# Altium PCB GSM-LCD-ATmega32.PcbDoc
Units mm, origin at the board's own origin, x right, y up, seen from the top; angles counter-clockwise.
Board outline 196.85 x 120.65 mm, 2 copper layers (Top Layer, Bottom Layer); 75 components, 70 nets, 275 pads, 22 vias.
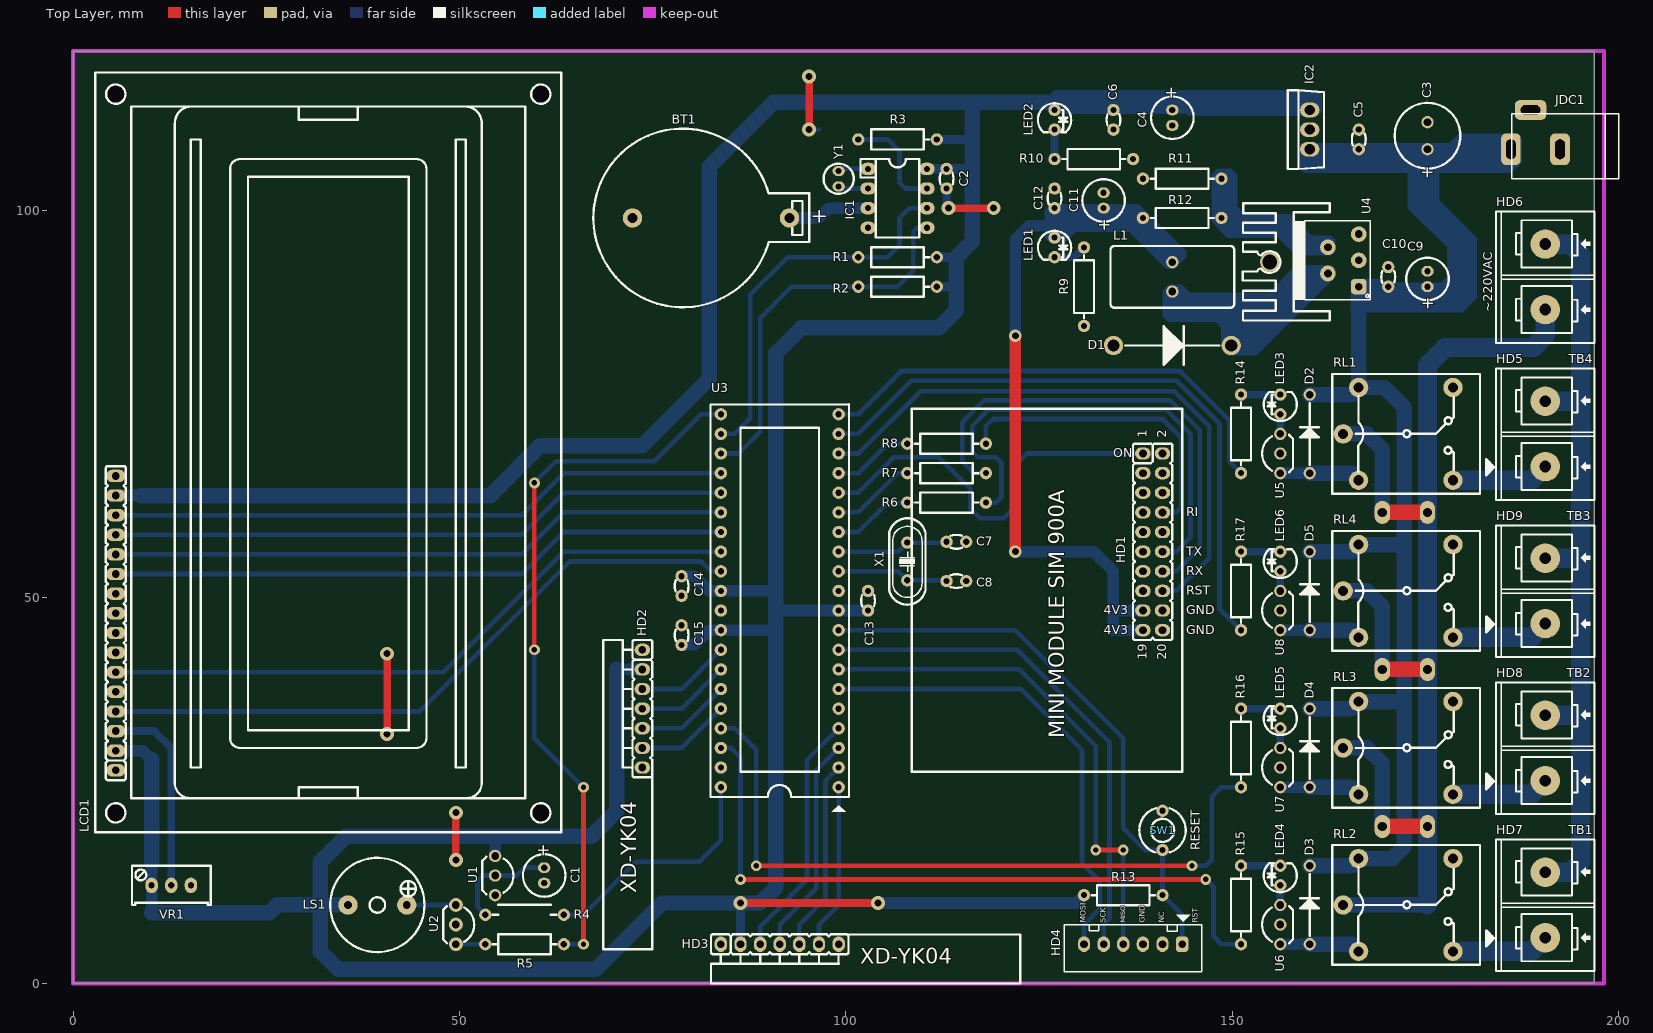
[diagram p0: Top Layer view]
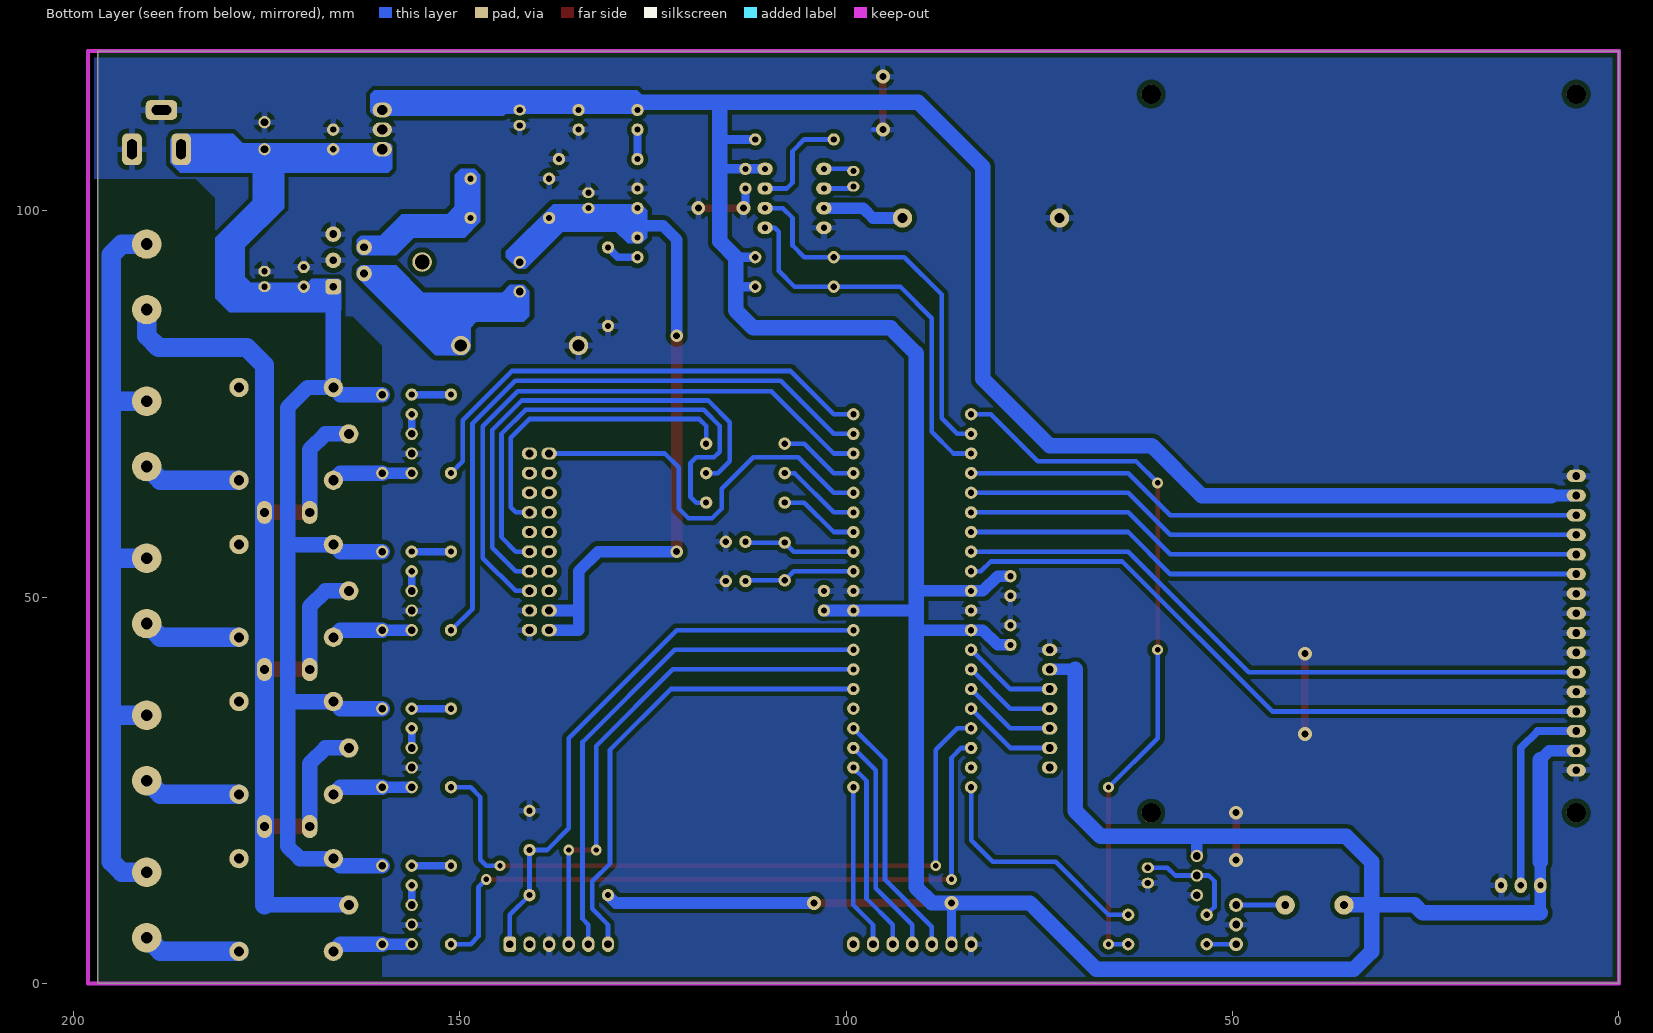
[diagram p1: Bottom Layer view, seen from below]

## Layer stack, top to bottom
Top Solder: solder mask 0.0102, Solder Resist, Dk 3.5
Top Layer: signal copper 0.0356
Dielectric1: dielectric 0.32, FR-4, Dk 4.8
Bottom Layer: signal copper 0.0356
Bottom Solder: solder mask 0.0102, Solder Resist, Dk 3.5

## Board outline
0,0 196.85,0 196.85,120.65 0,120.65

## Design rules (kind name [scope] priority, off if disabled: settings)
Clearance [All] p1: gap=0.6
PolygonConnect [All] p1: connectstyle=Relief reliefconductorwidth=0.8 reliefentries=4 polygonreliefangle="90 Angle" airgapwidth=0.254
RoutingVias [All] p1: holewidth=0.7 width=1.4 viastyle="Through Hole" minholewidth=0.711 minwidth=1.4 maxholewidth=1.2 maxwidth=2.2
SilkToSolderMaskClearance SilkscreenOverComponentPads [IsPad] p1: minsilkscreentomaskgap=0.254 clearancetoexposedcopper=TRUE
SolderMaskExpansion [All] p1: expansion=0.102
UnpouredPolygon [All] p1: allowunpoured=FALSE
Width [All] p1: maxlimit=3 minlimit=0.5 preferedwidth=1
28 further rules are at their usual default settings.

## Components (designator, comment, footprint, x,y, rotation, side; value= is the part's Value field where it differs from the comment)
BT1 "PIN 3V" "PIN 3V" 92.71,99.06 r180 top
C1 "1uF/16V" CAP_1UF_50V 60.96,14.986 r270 top
C2 "100nF" "Tu gom 104" 113.03,104.14 r90 top
C3 "100uF/50V" CAP_100UF_50V 175.26,107.95 r90 top
C4 "22uF/25V" CAP_22UF_50V 142.24,113.03 r270 top
C5 "100nF" "Tu gom 104" 166.37,109.22 r270 top
C6 "100nF" "Tu gom 104" 134.62,111.76 r90 top
C7 "5AK102KABAA" "Tu 33p" 115.57,57.15 r180 top
C8 "5AK102KABAA" "Tu 33p" 115.57,52.07 r180 top
C9 "Tantalum" CAP_100UF_16V 175.26,90.17 r90 top
C10 "Ceramic" "Tu gom 104" 170.18,91.44 r270 top
C11 "Tantalum" CAP_100UF_16V 133.35,100.33 r90 top
C12 "Ceramic" "Tu gom 104" 127,101.6 r270 top
C13 "100nF" "Tu gom 104" 102.87,49.53 r270 top
C14 "100nF" "Tu gom 104" 78.74,51.435 r90 top
C15 "100nF" "Tu gom 104" 78.74,45.085 r270 top
D1 "1N5822" 1N5822 142.24,82.55 r0 top
D2 "1N4007" 1N4007 160.02,71.12 r90 top
D3 "1N4007" 1N4007 160.02,10.16 r90 top
D4 "1N4007" 1N4007 160.02,30.48 r90 top
D5 "1N4007" 1N4007 160.02,50.8 r90 top
HD1 "Header 10x2" "Female Header_10x2" 139.7,57.15 r270 top
HD2 "Module RF1" "FM-Header 7" 73.66,43.18 r270 top
HD3 "Module RF2" "FM-Header 7" 83.82,5.08 r0 top
HD4 "Burn-E" CON6 137.16,5.08 r180 top
HD5 "TB4" "DOMINO 2_pitch 8.5mm" 190.5,71.12 r90 top
HD6 "220VAC" "DOMINO 2_pitch 8.5mm" 190.5,91.44 r90 top
HD7 "TB1" "DOMINO 2_pitch 8.5mm" 190.5,10.16 r90 top
HD8 "TB2" "DOMINO 2_pitch 8.5mm" 190.5,30.48 r90 top
HD9 "TB3" "DOMINO 2_pitch 8.5mm" 190.5,50.8 r90 top
IC1 "DS1307" DS1307 102.87,105.41 r270 top
IC2 "LM7805" LM7805_TN_S 160.02,110.49 r90 top
JDC1 "Jack DC" "JACK DC-IN" 189.23,110.49 r180 top
L1 "LD26W8-151N" "Inductor 150mH" 142.24,91.44 r0 top
LCD1 "LCD 20x4" LCD20x4 33.02,68.58 r90 top
LED1 "LED-RED" LED3R 127,96.52 r270 top
LED2 "LED-RED" LED3R 127,113.03 r270 top
LED3 "LED-YELLOW" LED3Y 156.21,73.66 r90 top
LED4 "LED-YELLOW" LED3Y 156.21,12.7 r90 top
LED5 "LED-YELLOW" LED3Y 156.21,33.02 r90 top
LED6 "LED-YELLOW" LED3Y 156.21,53.34 r90 top
LS1 "Speaker" SPEAKER 39.37,10.16 r180 top
R1 "" "RES 1/4W CFR25" 106.68,93.98 r0 top
R2 "" "RES 1/4W CFR25" 106.68,90.17 r0 top
R3 "" "RES 1/4W CFR25" 106.68,109.22 r0 top
R4 "Res2" "RES 1/4W CFR25" 58.42,8.89 r0 top
R5 "Res2" "RES 1/4W CFR25" 58.42,5.08 r180 top
R6 "Res2" "RES 1/4W CFR25" 113.03,62.23 r0 top
R7 "Res2" "RES 1/4W CFR25" 113.03,66.04 r0 top
R8 "Res2" "RES 1/4W CFR25" 113.03,69.85 r0 top
R9 "Res2" "RES 1/4W CFR25" 130.81,90.17 r90 top
R10 "Res2" "RES 1/4W CFR25" 132.08,106.68 r180 top
R11 "CFR25S" "RES 1/4W CFR25" 143.51,104.14 r180 top
R12 "CFR25S" "RES 1/4W CFR25" 143.51,99.06 r0 top
R13 "Res2" "RES 1/4W CFR25" 135.89,11.43 r180 top
R14 "120R" "RES 1/4W CFR25" 151.13,71.12 r270 top
R15 "120R" "RES 1/4W CFR25" 151.13,10.16 r270 top
R16 "120R" "RES 1/4W CFR25" 151.13,30.48 r270 top
R17 "120R" "RES 1/4W CFR25" 151.13,50.8 r270 top
RL1 "Relay 10A/12V" RL_10A_12V 171.45,71.12 r0 top
RL2 "Relay 10A/12V" RL_10A_12V 171.45,10.16 r0 top
RL3 "Relay 10A/12V" RL_10A_12V 171.45,30.48 r0 top
RL4 "Relay 10A/12V" RL_10A_12V 171.45,50.8 r0 top
SW1 "RESET" "BUTTON 2PIN TRON" 140.97,19.812 r270 top
U1 "LM35" LM35 54.61,13.97 r270 top
U2 "2SA1013" 2SA1013#1 49.53,7.62 r270 top
U3 "ATmega32A-PU" ATmega32A 99.06,25.4 r90 top
U4 "LM2576" LM2576_DIP 166.37,90.17 r90 top
U5 "2SA1013" 2SA1013#2 156.21,68.58 r90 top
U6 "2SA1013" 2SA1013#2 156.21,7.62 r90 top
U7 "2SA1013" 2SA1013#2 156.21,27.94 r90 top
U8 "2SA1013" 2SA1013#2 156.21,48.26 r90 top
VR1 "10K" VR1 10.16,12.7 r0 top
X1 "16Mhz" "CRYSTAL 16Mhz" 107.95,54.61 r90 top
Y1 "HC49S-20-C-30-30-F-20.000MHz" "Crystal 32.768 Khz_stand" 99.06,104.14 r90 top

## Footprints (in the part's own frame and the unit in brackets; to place one, negate y for a bottom-side part, rotate by r counter-clockwise, add the part's x,y. Pads: shape width x height; smd on the part's side, far side on the other; paste and mask are expansions set on the pad)
1N4007 [mm] "DIODE_DIP"
  round 1.6 hole 1 mask+0.1: 1(-5.08,0) 2(5.08,0)
  silkscreen extent -4,-1.2 4,1.21, body extent -5.8,-1.25 5.8,1.25, height 2.75
1N5822 [mm] "DO-27_DIODE 3A"
  round 2.5 hole 1.6 mask+0.1: 1(-7.62,0) 2(7.62,0)
  silkscreen extent -6.09,-2.62 6.09,2.63, body extent -8.28,-2.8 8.28,2.8, height 5.6
2SA1013#1 [mm] "TO-92 Bent Lead, Flat Index; 3 In-Line, Axial Leads; Body Dia. 4.5mm; Leads 0.51 x 0.48 mm (max)"
  round 1.8 hole 1 mask+0.1: 1(-2.54,0) 2(0,0)
  round 1.8 hole 1: 3(2.54,0)
  silkscreen extent -2.41,-1.65 2.41,2.37, body extent -2.79,-1.59 2.79,2.61, height 10
2SA1013#2 [mm] "TO-92 Bent Lead, Flat Index; 3 In-Line, Axial Leads; Body Dia. 4.5mm; Leads 0.51 x 0.48 mm (max)"
  round 1.6 hole 1 mask+0.1: 1(-2.54,0) 2(0,0)
  round 1.6 hole 1: 3(2.54,0)
  silkscreen extent -2.41,-1.65 2.41,2.37, body extent -2.79,-1.59 2.79,2.61, height 10
ATmega32A [mm] "40 PIN, W 15.24mm, Pin to pin 2.54mm"
  round 1.6 hole 0.8: 1(0,0) 2(2.54,0) 3(5.08,0) 4(7.62,0) 5(10.16,0) 6(12.7,0) 7(15.24,0) 8(17.78,0) 9(20.32,0) 10(22.86,0) 11(25.4,0) 12(27.94,0) 13(30.48,0) 14(33.02,0) 15(35.56,0) 16(38.1,0) 17(40.64,0) 18(43.18,0) 19(45.72,0) 20(48.26,0) 21(48.26,15.24) 22(45.72,15.24) 23(43.18,15.24) 24(40.64,15.24) 25(38.1,15.24) 26(35.56,15.24) 27(33.02,15.24) 28(30.48,15.24) 29(27.94,15.24) 30(25.4,15.24) 31(22.86,15.24) 32(20.32,15.24) 33(17.78,15.24) 34(15.24,15.24) 35(12.7,15.24) 36(10.16,15.24) 37(7.62,15.24) 38(5.08,15.24) 39(2.54,15.24) 40(0,15.24)
  silkscreen extent -3.2,-1.33 49.54,16.58, body extent -2.08,-0.12 50.37,15.37, height 5.7
"BUTTON 2PIN TRON" [mm] "PIN TO PIN 5.08, W=6MM"
  round 1.6 hole 0.8: 1(-2.54,0) 2(2.54,0)
  silkscreen extent -2.87,-3 2.86,3, body extent -3,-3.02 3,3.18, height 4.3
CAP_1UF_50V [mm] "Capacitor, Electrolytic, Radial; Body 5 x 11 mm (Dia.xH typ); Pin Spacing 2 mm (typ)"
  oval 1.4x1.6 hole 0.8: 1(0,0) 2(2,0)
  silkscreen extent -1.75,-2.75 3.75,2.75, body extent -1.53,-2.53 3.53,2.53, height 11.53
CAP_22UF_50V [mm] "Capacitor, Electrolytic, Radial; Body 5 x 11 mm (Dia.xH typ); Pin Spacing 2 mm (typ)"
  oval 1.4x1.6 hole 0.8: 1(0,0) 2(2,0)
  silkscreen extent -1.75,-2.75 3.75,2.75, body extent -1.53,-2.53 3.53,2.53, height 11.53
CAP_100UF_16V [mm] "Capacitor, Electrolytic, Radial; Body 5 x 11 mm (Dia.xH typ); Pin Spacing 2 mm (typ)"
  oval 1.4x1.6 hole 0.8: 1(0,0) 2(2,0)
  silkscreen extent -1.75,-2.75 3.75,2.75, body extent -1.53,-2.53 3.53,2.53, height 11.53
CAP_100UF_50V [mm] "Capacitor, Electrolytic, Radial; Body 8 x 11.5 mm (Dia.xH typ); Pin Spacing 3.5 mm (typ)"
  round 1.6 hole 1: 1(0,0) 2(3.5,0)
  silkscreen extent -2.5,-4.25 6,4.25, body extent -2.28,-4.03 5.78,4.03, height 12.03
CON6 [mm] "CON6"
  rrect50% 1.6x2 hole 1 mask+0.1: 1(-6.35,0)
  oval 1.6x2 hole 1 mask+0.1: 2(-3.81,0) 3(-1.27,0) 4(1.27,0) 5(3.81,0) 6(6.35,0)
  silkscreen extent -8.89,-3.8 8.89,3.56, body extent -8.75,-2.29 8.75,3.41, height 7
"CRYSTAL 16Mhz" [mm] "Quartz Crystal, Thru-Hole; 2 Leads; Body 11.35 x 4.65 x 13.46 mm (LxWxH max)"
  round 1.6 hole 0.8 mask+0.1: 1(-2.44,0) 2(2.44,0)
  silkscreen extent -5.59,-2.35 5.59,2.35, body extent -5.67,-2.32 5.68,2.33, height 3.6
"Crystal 32.768 Khz_stand" [mm] "Crystal 32.768 Khz_Stand"
  oval 1.3x1.6 hole 0.8 mask+0.1: 1(-1,0) 2(1,0)
  silkscreen extent -1.95,-1.95 1.95,1.95, body extent -1.72,-1.6 1.73,1.6, height 9.77
"DOMINO 2_pitch 8.5mm" [mil] "DOMINO 2_pitch 8.5mm"
  round 150 hole 60: 1(-166.67,0) 2(166.67,0)
  silkscreen extent -337,-250 333,250, body extent -330,-255 330,266, height 583
DS1307 [mm] "DIP 8, 8 PIN, W 7.62, Pin to pin 2.54MM"
  oval 1.6x2 hole 0.8: 1(0,0) 2(2.54,0) 3(5.08,0) 4(7.62,0) 5(7.62,7.62) 6(5.08,7.62) 7(2.54,7.62) 8(0,7.62)
  silkscreen extent -1.27,-0.99 8.89,6.61, body extent -1.14,-0.1 8.76,7.72, height 4.57
"Female Header_10x2" [mm] "Connector DIP Female, 2x10Pin_2.54mm"
  oval 1.6x2 hole 1 mask+0.1: 1(-11.43,-1.27) 2(-11.43,1.27) 3(-8.89,-1.27) 4(-8.89,1.27) 5(-6.35,-1.27) 6(-6.35,1.27) 7(-3.81,-1.27) 8(-3.81,1.27) 9(-1.27,-1.27) 10(-1.27,1.27) 11(1.27,-1.27) 12(1.27,1.27) 13(3.81,-1.27) 14(3.81,1.27) 15(6.35,-1.27) 16(6.35,1.27) 17(8.89,-1.27) 18(8.89,1.27) 19(11.43,-1.27) 20(11.43,1.27)
  silkscreen extent -12.7,-2.55 12.7,2.55, body extent -12.83,-2.5 12.82,2.5, height 8.5
"FM-Header 7" [mm] "Connector DIP Female, 7Pin_2.54mm"
  oval 1.6x2 hole 1 mask+0.1: 1(0,0) 2(2.54,0) 3(5.08,0) 4(7.62,0) 5(10.16,0) 6(12.7,0) 7(15.24,0)
  silkscreen extent -1.27,-1.28 16.51,1.28, body extent -1.27,-1.27 16.51,1.27, height 6.02
"Inductor 150mH" [mm] "Inductor_150mH"
  round 1.6 hole 1: 1(0,-1.905) 2(0,1.905)
  silkscreen extent -8,-4 8,4, body extent -7.37,-4.32 7.37,4.32, height 14.86
"JACK DC-IN" [mil] "Jack DC input 3 pin"
  rrect50% 100x160 hole 50 slot 100 at 90 deg: 1(125,100) 2(-125,100)
  rrect50% 160x100 hole 50 slot 100 at 0 deg: 3(25,-100)
  silkscreen extent -425,-80 120,250, body extent -410,-105 134,269, height 434
LCD20x4 [mm] "LCD 20x4, 60.5mmx98.5mm"
  oval 1.6x2.5 hole 1 mask+0.1: 1(-41,27.5) 2(-38.46,27.5) 3(-35.92,27.5) 4(-33.38,27.5) 5(-30.84,27.5) 6(-28.3,27.5) 7(-25.76,27.5) 8(-23.22,27.5) 9(-20.68,27.5) 10(-18.14,27.5) 11(-15.6,27.5) 12(-13.06,27.5) 13(-10.52,27.5) 14(-7.98,27.5) 15(-5.44,27.5) 16(-2.9,27.5)
  round 2.5 hole 2.5: Hole_1(-46.5,27.5) Hole_2(-46.5,-27.5) Hole_3(46.5,-27.5) Hole_4(46.5,27.5)
  silkscreen extent -49,-30.15 49.3,30.15, body extent -48.92,-30.05 49.08,29.95, height 10.5
LED3R [mm] "LED 3mm_RED"
  round 1.6 hole 0.8: 1(0,0) 2(2.54,0)
  silkscreen extent -0.88,-2.15 2.87,2.15, body extent -0.73,-2 2.94,2, height 4.6
LED3Y [mm] "LED 3mm_Yellow"
  round 1.6 hole 0.8: 1(0,0) 2(2.54,0)
  silkscreen extent -0.88,-2.15 2.87,2.15, body extent -0.73,-2 2.94,2, height 4.6
LM35 [mm] "LM35"
  round 1.6 hole 1 mask+0.1: 1(-2.54,0) 2(0,0)
  round 1.6 hole 1: 3(2.54,0)
  silkscreen extent -2.41,-1.65 2.41,2.37, body extent -2.79,-1.59 2.79,2.61, height 11.8
LM2576_DIP [mm] "15V - 3A Step-Down Voltage Regulator"
  round 2.54 hole 1.905: 0(3.19,11.51)
  rrect50% 2.032x2.032 hole 1: 1(0,0)
  round 2.032 hole 1: 2(1.7,4) 3(3.4,0) 4(5.1,4) 5(6.8,0)
  silkscreen extent -4.38,-1.5 10.78,15, body extent -4.18,0 10.6,14.78, height 25
LM7805_TN_S [mm] "TO220"
  oval 1.9x2.5 hole 1.3: 1(-2.54,0) 2(0,0) 3(2.54,0)
  silkscreen extent -5.1,-1.85 5.1,2.85, body extent -7.37,-2.1 7.42,8.7, height 25
"PIN 3V" [mm] "Socket PIN 3V"
  round 2.5 hole 1.3: 1(0,0) 2(20.32,0)
  silkscreen extent -2.54,-11.56 25.38,11.55, body extent -3.25,-11.35 25.45,11.4, height 7.07
"RES 1/4W CFR25" [mm] "Axial Device, Thru-Hole; 2 Leads fi 0.55"
  round 1.6 hole 0.8 mask+0.1: 1(-5.08,0) 2(5.08,0)
  silkscreen extent -3.4,-1.3 4.1,1.3, body extent -5.38,-1.16 5.39,1.16, height 2.93
RL_10A_12V [mm] "Relay SRD-12VDC-SL-C, 5 pin, 10A,19.1X15.5"
  round 2.5 hole 1.3: 1(-7.1,0) 2(7.1,6) 3(7.1,-6) 4(-5.1,-6) 5(-5.1,6)
  silkscreen extent -8.5,-7.75 10.6,7.75, body extent -8.5,-7.75 10.6,7.75, height 15.3
SPEAKER [mm] "TMB12A05"
  round 2.5 hole 1 mask+0.1: 1(-3.81,0) 2(3.81,0)
  silkscreen extent -6.1,-6.1 6.1,6.1, body extent -7.51,-7.5 7.49,8.5, height 7.6
"Tu 33p" [mm] "Capacitor, Radial, Tantalum, Non-Polarised; Body 3.05 x 1.78 x 3.43 mm (WxTxH max); Pin Spacing 2.54 mm (typ)"
  round 1.6 hole 0.8: 1(0,0) 2(2.54,0)
  silkscreen extent 0.54,-0.89 2.03,0.89, body extent -1.65,-0.85 4.19,0.85, height 6.42
"Tu gom 104" [mm] "Capacitor, Radial, Tantalum, Non-Polarised; Body 3.05 x 1.78 x 3.43 mm (WxTxH max); Pin Spacing 2.54 mm (typ)"
  round 1.6 hole 0.8: 1(-1.27,0) 2(1.27,0)
  silkscreen extent -0.73,-0.89 0.76,0.89, body extent -2.92,-0.85 2.92,0.85, height 6.42
VR1 [mm] "Variable Resistor"
  oval 1.6x2 hole 0.8 mask+0.1: 1(0,0) 2(2.54,0) 3(5.08,0)
  silkscreen extent -2.54,-2.54 7.65,2.54, body extent -2.22,-3.3 7.3,2.79, height 11.56

## Part data
BT1: "Battery 3VDC"
C1 C3 C4: library part CP3, "Cap 100uF/35V - 470uF/16V"
C2 C5 C6 C13 C14 C15: library part CN2, "Cap np 104 => 105pF"
C7 C8: "CAP NPO CAPNTO 1nF 100V 10%"
C9 C11: library part "Cap Pol2", "Tantalum Capacitor"
C10 C12: library part "Cap Cera", "CeramicCapacitor, 16V, 2.54mm"
D1: "Schottky Rectifier, 40V-3A"
D2 D3 D4 D5: library part D1A, "Diode 1A"
HD1: library part HED10X2
HD2 HD3: library part Hed7, "Header 7"
HD4: library part Hed6, "Header 6 (Trang)"
HD5 HD6 HD7 HD8 HD9: library part Hed2, "Domino 2"
IC1: "Serial, I2C Real-Time Clock"
IC2: library part LM78xx, "On ap +, from + 5 to + 24VDC"
JDC1: library part DCIN, "Jac DC input"
L1: library part Inductor, "Inductor"
LCD1: library part LCD16x2A, "LCD dipslay 20 char, 4 line"
LED1 LED2 LED3 LED4 LED5 LED6: "LED Single"
LS1: "Loudspeaker"
R1 R2 R3: library part CF1/4W1KJ25
R4 R5 R6 R7 R8 R9 R10 R13: "Resistor"
R11 R12: library part Res1, "Resistor 1/4W, AXIAL-0.3"
R14 R15 R16 R17: library part R, "Resistor 1/4W"
RL1 RL2 RL3 RL4: library part "Relay 1", "Relay SPDT,10A - 12VDC 5 Pin"
SW1: library part SW2, "Switch button 2 pin"
U1: "Teminal"
U2 U5 U6 U7 U8: "PNP Epitaxial Silicon Transistor"
U3: "8-bit AVR Microcontroller, 32KB Flash, 1KB EEPROM, 2KB SRAM, 40-pin PDIP, Industrial Grade (-40°C to 85°C)"
U4: "3.0 A, 15 V, Step-Down  Switching Regulator"
VR1: library part VR1, "Var Resistor"
X1: library part XT2, "Crystal For all Crystal 2pin."
Y1: "Crystal Oscillator 30ppm 20.000MHz"

## Free pads (board coordinates)
  oval 2x3 hole 1.2 mask+0.275: 0(169.418,20.32) 0(169.418,40.64) 0(169.418,60.96) 1(175.26,20.32) 1(175.26,40.64) 1(175.26,60.96)

## Via types
v1: diameter 1.8, hole 0.9, Top Layer to Bottom Layer, 10 vias
v2: diameter 1.4, hole 0.7, Top Layer to Bottom Layer, 10 vias
v3: diameter 1.6, hole 0.9, Top Layer to Bottom Layer, 2 vias

## Nets (pads, with @x,y where several pads share a name; then routed paths per layer and width w, separated by ;. In a path a pad name is that pad's centre, name@x,y a point inside that pad or via, vN(x,y) a via of type N, cw(c..) or ccw(c..) an arc to the next point about the centre after c; other vN are vias at no path point)
4V3: C11.1 C12.2 HD1.17 HD1.19 L1.2 LED1.1 R12.1 | length 75.2
  Top Layer w1.5: v3(121.92,55.88) v3(121.92,83.82)
  Bottom Layer w1.5: v3(121.92,55.88) 132.08,55.88 134.62,53.34 134.62,48.26 ; v3(121.92,83.82) 121.92,96.266 123.698,98.044 127,98.044 ; HD1.19 134.62,45.72 134.62,48.26 ; HD1.17 134.62,48.26
5V: C2.2 C4.1 C6.2 C13.2 C14.2 C15.2 HD2.2 HD3.2 IC1.8 IC2.3 LCD1.2 LCD1.15 LED2.1 LS1.2 R1.2 R2.2 R3.2 R13.2 U1.1 U3.10 U3.30 U3.32 VR1.1 | length 576
  Top Layer w1: v1(86.36,10.414) v1(104.14,10.414)
  Bottom Layer w1.2: HD3.2 v1(86.36,10.414) ; IC1.8 C2.2 116.205,105.41 ; R2.2 114.046,90.17 ; R1.2 114.3,93.98 ; R3.2 116.332,109.22
  Bottom Layer w1.5: LCD1.2 8.996,30.12 10.16,28.956 ; LCD1.15 8.742,63.14 ; 10.16,9.144 VR1.1 10.16,15.748 ; U1.1 54.61,19.05 ; 70.358,40.64 HD2.2 ; C15.2 80.391,43.815 82.296,45.72 U3.32 90.932,45.72 ; C14.2 80.391,52.705 82.296,50.8 U3.30 90.932,50.8 ; 91.186,48.26 U3.10 C13.2 ; v1(104.14,10.414) 129.794,10.414 R13.2
  Bottom Layer w2: 8.742,63.14 53.996,63.14 60.452,69.596 73.66,69.596 82.296,78.232 82.296,105.664 90.678,114.046 127,114.046 ; 10.16,9.144 25.4,9.144 26.416,10.16 32.004,10.16 ; 10.16,15.748 10.16,28.956 ; LS1.2 32.004,10.16 ; 70.358,40.64 70.358,22.352 67.056,19.05 54.61,19.05 35.306,19.05 32.004,15.748 32.004,10.16 ; 116.332,114.046 116.332,109.22 116.332,96.012 114.3,93.98 114.3,87.122 112.014,84.836 94.234,84.836 90.932,81.534 90.932,50.8 90.932,45.72 90.932,12.446 88.9,10.414 v1(86.36,10.414) 76.2,10.414 67.636,1.85 34.29,1.85 32.004,4.136 32.004,10.16
12V: C3.1 C5.2 C9.1 C10.2 D2.2 D3.2 D4.2 D5.2 IC2.1 JDC1.1 RL1.5 RL2.5 RL3.5 RL4.5 U4.1 | length 120.3
  Bottom Layer w2: D3.2 165.43,15.24 RL2.5 170.688,16.16 172.272,17.744 172.272,36.48 ; D4.2 165.43,35.56 RL3.5 172.272,36.48 ; D5.2 165.43,55.88 RL4.5 172.272,56.8 ; D2.2 165.43,76.2 RL1.5 ; 166.35,88.372 RL1.5 ; RL1.5 169.672,77.12 172.272,74.52 172.272,56.8 ; 172.272,36.48 172.272,56.8
220VAC: HD6.1 pad.0 pad.1 RL1.1 RL2.1 RL3.1 RL4.1 | length 160.6
  Top Layer w2: pad.0@169.418,20.32 pad.1@175.26,20.32 ; pad.0@169.418,40.64 pad.1@175.26,40.64 ; pad.0@169.418,60.96 pad.1@175.26,60.96
  Bottom Layer w2: RL2.1 175.26,10.16 ; RL3.1 167.386,30.48 169.418,28.448 pad.0@169.418,20.32 ; RL4.1 167.386,50.8 169.418,48.768 pad.0@169.418,40.64 ; RL1.1 167.386,71.12 169.418,69.088 pad.0@169.418,60.96
  Bottom Layer w2.5: 175.26,10.16 175.26,20.32 175.26,40.64 175.26,60.96 175.26,80.01 177.546,82.296 188.976,82.296 190.5,83.82 HD6.1
DATA4: LCD1.11 U3.27 | length 80.6
  Bottom Layer w0.6: LCD1.11 58.06,52.98 63.5,58.42 U3.27
DATA5: LCD1.12 U3.26 | length 80.6
  Bottom Layer w0.6: LCD1.12 58.06,55.52 63.5,60.96 U3.26
DATA6: LCD1.13 U3.25 | length 80.6
  Bottom Layer w0.6: LCD1.13 58.06,58.06 63.5,63.5 U3.25
DATA7: LCD1.14 U3.24 | length 80.6
  Bottom Layer w0.6: LCD1.14 58.06,60.6 63.5,66.04 U3.24
GND: BT1.2 C1.2 C2.1 C3.2 C4.2 C5.1 C6.1 C7.1 C8.1 C9.2 C10.1 C11.2 C12.1 C13.1 C14.1 C15.1 D1.1 HD1.18 HD1.20 HD2.1 HD3.1 HD4.3 IC1.4 IC2.2 JDC1.2 JDC1.3 LCD1.1 LCD1.5 LCD1.7 LCD1.8 LCD1.9 LCD1.10 LCD1.16 R9.1 R10.1 R11.2 SW1.1 U1.3 U2.2 U3.11 U3.31 U4.3 U4.5 U5.2 U6.2 U7.2 U8.2 VR1.3 | length 32.8
  Top Layer w1: v1(40.64,32.258) v1(40.64,42.672) ; v1(49.53,16.002) v1(49.53,22.098) ; v1(95.25,110.49) v1(95.25,117.348) ; v1(113.284,100.33) v1(119.126,100.33)
  Bottom Layer w0.5: v1(95.25,110.49) 96.52,110.49
  Bottom Layer w1: v1@113.03,100.584 C2.1
GND2: HD5.2 HD6.2 HD7.2 HD8.2 HD9.2 | length 102.1
  Bottom Layer w2.5: HD7.2 193.717,14.393 195.072,15.748 195.072,94.319 193.717,95.673 HD6.2 ; HD8.2 194.987,34.713 ; HD9.2 194.903,55.033 ; HD5.2 194.903,75.353
LCD_EN: LCD1.6 U3.28 | length 84.8
  Bottom Layer w0.6: LCD1.6 47.9,40.28 63.5,55.88 U3.28
LCD_RS: LCD1.4 U3.29 | length 86.9
  Bottom Layer w0.6: LCD1.4 44.852,35.2 64.262,54.61 81.28,54.61 82.55,53.34 U3.29
MISO: HD4.4 U3.7 | length 66.6
  Top Layer w0.6: v2(132.334,17.272) v2(135.89,17.272)
  Bottom Layer w0.6: U3.7 122.428,40.64 132.334,30.734 v2(132.334,17.272) ; HD4.4 v2(135.89,17.272)
MOSI: HD4.6 U3.6 | length 61.7
  Bottom Layer w0.6: U3.6 122.682,38.1 130.556,30.226 130.556,15.494 132.842,13.208 132.842,9.652 130.81,7.62 HD4.6
NetBT1_1: BT1.1 IC1.3 | length 10.7
  Bottom Layer w1.5: BT1.1 96.52,99.06 97.79,100.33 IC1.3
NetC1_1: C1.1 R4.1 U1.2 | length 14.1
  Bottom Layer w0.6: R4.1 52.324,9.906 52.324,13.208 53.086,13.97 U1.2 57.404,13.97 58.42,14.986 C1.1
NetC7_2: C7.2 U3.13 X1.2 | length 14.5
  Bottom Layer w0.6: U3.13 106.78,55.88 X1.2 112.93,57.05 C7.2
NetC8_2: C8.2 U3.12 X1.1 | length 14.5
  Bottom Layer w0.6: U3.12 106.78,53.34 X1.1 112.93,52.17 C8.2
NetD1_2: D1.2 L1.1 U4.2
NetD2_1: D2.1 RL1.4 U5.1 | length 10.5
  Bottom Layer w1.5: U5.1 D2.1
  Bottom Layer w2: D2.1 165.43,66.04 RL1.4
NetD3_1: D3.1 RL2.4 U6.1 | length 10.5
  Bottom Layer w1.5: U6.1 D3.1
  Bottom Layer w2: D3.1 165.43,5.08 RL2.4
NetD4_1: D4.1 RL3.4 U7.1 | length 10.5
  Bottom Layer w1.5: U7.1 D4.1
  Bottom Layer w2: D4.1 165.43,25.4 RL3.4
NetD5_1: D5.1 RL4.4 U8.1 | length 10.5
  Bottom Layer w1.5: U8.1 D5.1
  Bottom Layer w2: D5.1 165.43,45.72 RL4.4
NetHD5_1: HD5.1 RL1.3 | length 12.7
  Bottom Layer w2.5: RL1.3 188.733,65.12 HD5.1
NetHD7_1: HD7.1 RL2.3 | length 12.7
  Bottom Layer w2.5: RL2.3 188.733,4.16 HD7.1
NetHD8_1: HD8.1 RL3.3 | length 12.7
  Bottom Layer w2.5: RL3.3 188.733,24.48 HD8.1
NetHD9_1: HD9.1 RL4.3 | length 12.7
  Bottom Layer w2.5: RL4.3 188.733,44.8 HD9.1
NetIC1_1: IC1.1 Y1.2 | length 3.9
  Bottom Layer w0.6: Y1.2 99.33,105.41 IC1.1
NetIC1_2: IC1.2 Y1.1 | length 3.9
  Bottom Layer w0.6: Y1.1 99.33,102.87 IC1.2
NetIC1_7: IC1.7 R3.1 | length 13.9
  Bottom Layer w0.6: R3.1 105.41,109.22 106.934,107.696 106.934,103.632 107.696,102.87 IC1.7
NetLCD1_3: LCD1.3 VR1.2 | length 25.9
  Bottom Layer w1: LCD1.3 10.52,32.66 12.7,30.48 VR1.2
NetLED1_2: LED1.2 R9.2 | length 4.3
  Bottom Layer w1: LED1.2 129.54,93.98 R9.2
NetLED2_2: LED2.2 R10.2 | length 3.8
  Bottom Layer w1: R10.2 LED2.2
NetLED3_1: LED3.1 U5.3 | length 2.5
  Bottom Layer w1: U5.3 LED3.1
NetLED3_2: LED3.2 R14.1 | length 5.1
  Bottom Layer w1: R14.1 LED3.2
NetLED4_1: LED4.1 U6.3 | length 2.5
  Bottom Layer w1: U6.3 LED4.1
NetLED4_2: LED4.2 R15.1 | length 5.1
  Bottom Layer w1: R15.1 LED4.2
NetLED5_1: LED5.1 U7.3 | length 2.5
  Bottom Layer w1: U7.3 LED5.1
NetLED5_2: LED5.2 R16.1 | length 5.1
  Bottom Layer w1: R16.1 LED5.2
NetLED6_1: LED6.1 U8.3 | length 2.5
  Bottom Layer w1: U8.3 LED6.1
NetLED6_2: LED6.2 R17.1 | length 5.1
  Bottom Layer w1: R17.1 LED6.2
NetLS1_1: LS1.1 U2.1 | length 6.3
  Bottom Layer w0.6: LS1.1 U2.1
NetR5_2: R5.2 U2.3 | length 3.8
  Bottom Layer w0.6: U2.3 R5.2
NetR6_1: R6.1 U3.14 | length 10.5
  Bottom Layer w0.6: U3.14 101.6,58.42 105.41,62.23 R6.1
NetR7_1: R7.1 U3.15 | length 11
  Bottom Layer w0.6: U3.15 101.6,60.96 106.68,66.04 R7.1
NetR8_1: R8.1 U3.17 | length 10.5
  Bottom Layer w0.6: U3.17 101.6,66.04 105.41,69.85 R8.1
NetR11_1: R11.1 R12.2 U4.4
RESET: HD4.1 R13.1 SW1.2 U3.9 | length 73.8
  Bottom Layer w0.6: U3.9 121.92,45.72 135.89,31.75 135.89,20.066 138.684,17.272 SW1.2 R13.1 143.51,8.89 HD4.1
RF1_D0: HD2.3 U3.33 | length 12.3
  Bottom Layer w0.6: HD2.3 78.74,38.1 U3.33
RF1_D1: HD2.4 U3.34 | length 12.3
  Bottom Layer w0.6: HD2.4 78.74,35.56 U3.34
RF1_D2: HD2.5 U3.35 | length 12.3
  Bottom Layer w0.6: HD2.5 78.74,33.02 U3.35
RF1_D3: HD2.6 U3.36 | length 12.3
  Bottom Layer w0.6: HD2.6 78.74,30.48 U3.36
RF2_D0: HD3.3 U3.4 | length 32.1
  Bottom Layer w0.6: HD3.3 88.9,7.366 94.96,13.426 94.96,28.92 U3.4
RF2_D1: HD3.4 U3.3 | length 28.6
  Bottom Layer w0.6: HD3.4 91.44,7.62 96.16,12.34 96.16,27.58 U3.3
RF2_D2: HD3.5 U3.2 | length 25
  Bottom Layer w0.6: HD3.5 93.98,7.62 97.36,11 97.36,26.24 U3.2
RF2_D3: HD3.6 U3.1 | length 21.4
  Bottom Layer w0.6: HD3.6 96.52,7.62 99.06,10.16 U3.1
RL1: R15.2 U3.38 | length 90.8
  Top Layer w0.6: v2(86.36,13.462) v2(146.558,13.462)
  Bottom Layer w0.6: U3.38 85.09,30.48 86.36,29.21 v2(86.36,13.462) ; v2(146.558,13.462) 147.574,12.446 147.574,6.096 148.59,5.08 R15.2
RL2: R16.2 U3.37 | length 92.8
  Top Layer w0.6: v2(88.392,15.24) v2(144.78,15.24)
  Bottom Layer w0.6: U3.37 85.598,33.02 88.392,30.226 v2(88.392,15.24) ; v2@144.526,14.986 v2(144.78,15.24) 146.558,15.24 147.32,16.002 147.32,24.13 148.59,25.4 R16.2
RL3: R17.2 U3.19 | length 82.3
  Bottom Layer w0.6: U3.19 101.6,71.12 108.458,77.978 142.829,77.978 148.336,72.471 148.336,48.514 R17.2
RL4: R14.2 U3.20 | length 63
  Bottom Layer w0.6: U3.20 101.6,73.66 107.188,79.248 143.256,79.248 149.606,72.898 149.606,67.564 R14.2
SCK: HD4.5 U3.8 | length 66.5
  Bottom Layer w0.6: U3.8 122.174,43.18 134.112,31.242 134.112,8.382 133.35,7.62 HD4.5
SCL: IC1.6 R1.1 U3.22 | length 50.2
  Bottom Layer w0.6: U3.22 85.598,71.12 87.63,73.152 87.63,89.154 92.456,93.98 R1.1 105.41,93.98 106.934,95.504 106.934,99.06 108.204,100.33 IC1.6
SDA: IC1.5 R2.1 U3.23 | length 50.4
  Bottom Layer w0.6: U3.23 86.106,68.58 88.9,71.374 88.9,86.106 92.964,90.17 R2.1 106.68,90.17 108.712,92.202 108.712,97.282 109.22,97.79 IC1.5
SIM_ON: HD1.1 U3.16 | length 52.6
  Bottom Layer w0.6: U3.16 101.6,63.5 106.172,68.072 112.014,68.072 116.078,64.008 116.078,61.468 117.348,60.198 120.396,60.198 121.666,61.468 121.666,66.802 123.444,68.58 HD1.1
SIM_RI: HD1.8 R8.2 | length 40.7
  Bottom Layer w0.6: R8.2 118.11,72.136 119.012,73.038 140.981,73.038 143.396,70.623 143.396,61.608 142.748,60.96 HD1.8
SIM_RST: HD1.16 U3.18 | length 78
  Bottom Layer w0.6: U3.18 101.6,68.58 109.658,76.638 142.472,76.638 146.996,72.114 146.996,55.048 142.748,50.8 HD1.16
SIM_RX: HD1.14 R7.2 | length 63.6
  Bottom Layer w0.6: R7.2 116.586,66.04 115.062,67.564 115.062,72.644 117.856,75.438 141.975,75.438 145.796,71.617 145.796,56.388 142.748,53.34 HD1.14
SIM_TX: HD1.12 R6.2 | length 62.6
  Bottom Layer w0.6: R6.2 119.38,62.23 120.142,62.992 120.142,67.31 119.38,68.072 117.094,68.072 116.332,68.834 116.332,72.136 118.434,74.238 141.478,74.238 144.596,71.12 144.596,57.728 142.748,55.88 HD1.12
SPK: R5.1 U3.21 | length 92.7
  Top Layer w0.6: v2(59.69,43.18) v2(59.69,64.77) ; v2(66.04,5.08) v2(66.04,25.4)
  Bottom Layer w0.6: v2(59.69,43.18) 59.69,31.75 v2(66.04,25.4) ; v2(59.69,64.77) 62.484,67.564 75.184,67.564 81.28,73.66 U3.21 ; R5.1 v2(66.04,5.08)
TEMP: R4.2 U3.40 | length 31.2
  Bottom Layer w0.6: R4.2 66.04,8.89 72.898,15.748 81.026,15.748 83.82,18.542 U3.40
pads on no net: HD1.2 HD1.3 HD1.4 HD1.5 HD1.6 HD1.7 HD1.9 HD1.10 HD1.11 HD1.13 HD1.15 HD2.7 HD3.7 HD4.2 LCD1.Hole_1 LCD1.Hole_2 LCD1.Hole_3 LCD1.Hole_4 RL1.2 RL2.2 RL3.2 RL4.2 U3.5 U3.39 U4.0

## Polygon pours and split planes (outlines as drawn)
GND on Bottom Layer "Top Layer-No Net" (solid, remove dead copper, pour order 2): 0,0 160.02,0 160.02,82.55 163.83,86.36 179.07,86.36 181.61,88.9 181.61,101.6 184.15,104.14 198.12,104.14 198.12,120.65 0,120.65

## Keep-outs
Keep-Out Layer:
  lines w0.5: 0,0 198.12,0 198.12,120.65 0,120.65 0,0

## Other copper
Bottom Layer:
  region net 12V: 165.608,91.186 169.164,91.186 169.672,90.678 177.038,90.678 177.8,91.44 177.8,95.25 172.72,100.33 172.72,105.918 173.736,106.934 175.768,106.934 176.784,105.918 176.784,101.346 181.61,96.52 181.61,88.646 179.832,86.868 165.608,86.868 165.354,87.122 165.354,90.932
  region net 4V3: 126.492,95.758 128.27,95.758 129.794,97.282 136.652,97.282 141.478,92.456 142.494,92.456 144.018,93.98 144.018,94.742 137.922,100.838 126.492,100.838 125.73,100.076 125.73,96.52
  region net NetR11_1: 162.814,94.234 158.242,94.234 155.956,96.52 149.352,96.52 147.32,98.552 147.32,104.648 148.082,105.41 149.86,105.41 150.622,104.648 150.622,100.584 151.638,99.568 157.48,99.568 160.274,96.774 162.814,96.774 163.322,96.266 163.322,94.742
  region net NetD1_2: 158.242,92.964 154.686,89.408 144.526,89.408 143.51,90.424 141.732,90.424 140.97,89.662 140.97,86.36 141.732,85.598 147.828,85.598 148.59,84.836 148.59,82.042 149.352,81.28 153.162,81.28 163.322,91.44 163.322,92.456 162.814,92.964
  region net 5V: 161.036,112.268 144.272,112.268 144.018,112.522 126.492,112.522 126.238,112.776 126.238,114.808 127,115.57 161.036,115.57 161.544,115.062 161.544,112.776
  region net 12V: 186.69,109.982 179.324,109.982 178.054,108.712 159.004,108.712 158.75,108.458 158.75,105.41 159.258,104.902 186.182,104.902 187.452,106.172 187.452,109.22

## Silkscreen, mask and mechanical layers (free items; w line width, h text height)
Top Overlay:
  lines w0.3: 71.12,27.94 71.12,44.45 68.58,44.45 68.58,4.45 74.93,4.45 74.93,26.67 ; 71.12,35.56 72.39,35.56 ; 71.12,38.1 72.39,38.1 ; 71.12,40.64 72.39,40.64 ; 71.12,43.18 72.39,43.18 ; 71.13,27.947 72.383,27.947 ; 71.13,30.48 72.39,30.48 ; 71.13,33.02 72.39,33.02 ; 83.82,2.54 83.82,3.81 ; 86.36,2.54 86.36,3.81 ; 88.9,2.54 88.9,3.81 ; 91.44,2.54 91.44,3.81 ; 93.98,2.55 93.98,3.81 ; 96.52,2.55 96.52,3.81 ; 99.053,2.55 99.053,3.803 ; 99.06,2.54 82.55,2.54 82.55,0 122.55,0 122.55,6.35 100.33,6.35 ; 108.51,27.38 143.51,27.38 143.51,74.38 108.51,74.38 108.51,27.39 ; 183.134,5.08 183.134,6.604 ; 183.134,25.4 183.134,26.924 ; 183.134,45.72 183.134,47.244 ; 183.134,66.04 183.134,67.564 ; 183.388,5.334 183.388,6.35 ; 183.388,25.654 183.388,26.67 ; 183.388,45.974 183.388,46.99 ; 183.388,66.294 183.388,67.31 ; 183.642,5.588 183.642,6.096 ; 183.642,25.908 183.642,26.416 ; 183.642,46.228 183.642,46.736 ; 183.642,66.548 183.642,67.056 ; 182.88,4.826 183.896,5.842 182.88,6.858 182.88,4.826 ; 182.88,25.146 183.896,26.162 182.88,27.178 182.88,25.146 ; 182.88,45.466 183.896,46.482 182.88,47.498 182.88,45.466 ; 182.88,65.786 182.88,67.818 183.896,66.802 182.88,65.786
  text "~220VAC" at 183.642,86.868 h1.2 r90
  text "TB4" at 193.548,80.264 h1.2
  text "1" at 138.938,70.612 h1.2 r90
  text "2" at 141.478,70.612 h1.2 r90
  text "ON" at 134.62,68.072 h1.2
  text "RI" at 144.018,60.452 h1.2
  text "TB3" at 193.294,59.944 h1.2
  text "TX" at 144.018,55.372 h1.2
  text "RX" at 144.018,52.832 h1.2
  text "RST" at 144.018,50.292 h1.2
  text "4V3" at 133.35,47.752 h1.2
  text "GND" at 144.018,47.752 h1.2
  text "4V3" at 133.35,45.212 h1.2
  text "GND" at 144.018,45.212 h1.2
  text "19" at 138.938,41.91 h1.2 r90
  text "20" at 141.478,41.91 h1.2 r90
  text "TB2" at 193.294,39.624 h1.2
  text "MINI MODULE SIM 900A" at 128.27,31.75 h2 r90
  text "TB1" at 193.548,19.304 h1.2
  text "RESET" at 145.796,17.272 h1.2 r90
  text "XD-YK04" at 72.898,11.684 h2 r90
  text "MOSI" at 131.064,7.874 h0.7 r90
  text "SCK" at 133.604,7.874 h0.7 r90
  text "MISO" at 136.144,7.874 h0.6 r90
  text "GND" at 138.684,7.874 h0.7 r90
  text "NC" at 141.224,7.874 h0.7 r90
  text "RST" at 145.542,7.874 h0.7 r90
  text "XD-YK04" at 101.854,2.54 h2

## Text inside footprints (layer, text, board x,y; h text height)
BT1: Mechanical 1 "+" at 90.71,100.06 h2 r180; Mechanical 1 "-" at 75.81,100.06 h2 r180; Mechanical 1 "1" at 92.9,99.6 h1.2 r180; Mechanical 1 "2" at 72.78,99.6 h1.2 r180; Top Overlay "+" at 97.71,100.06 h2 r180
C1: Mechanical 1 "+" at 60.46,16.486 h1 r270; Mechanical 1 "1" at 60.46,15.186 h1 r270; Mechanical 1 "2" at 60.46,13.286 h1 r270; Top Overlay "+" at 60.198,18.05 h1.5 r270
C3: Mechanical 1 "2" at 175.86,111.1 h1.2 r90; Mechanical 1 "1" at 175.86,107.7 h1.2 r90; Mechanical 1 "+" at 175.96,105.9 h1.5 r90; Top Overlay "+" at 175.96,104.1 h1.5 r90
C4: Mechanical 1 "2" at 141.74,111.33 h1 r270; Mechanical 1 "1" at 141.74,113.23 h1 r270; Mechanical 1 "+" at 141.74,114.53 h1 r270; Top Overlay "+" at 141.478,116.094 h1.5 r270
C9: Mechanical 1 "2" at 175.76,91.87 h1 r90; Mechanical 1 "1" at 175.76,89.97 h1 r90; Mechanical 1 "+" at 175.76,88.67 h1 r90; Top Overlay "+" at 176.022,87.106 h1.5 r90
C11: Mechanical 1 "2" at 133.85,102.03 h1 r90; Mechanical 1 "1" at 133.85,100.13 h1 r90; Mechanical 1 "+" at 133.85,98.83 h1 r90; Top Overlay "+" at 134.112,97.266 h1.5 r90
HD1: Mechanical 1 "2" at 140.57,68.75 h1.2 r270; Mechanical 1 "20" at 140.57,46.25 h1.2 r270; Mechanical 1 "19" at 138.03,46.25 h1.2 r270; Mechanical 1 "1" at 138.03,68.75 h1.2 r270
HD2: Mechanical 1 "1" at 73.26,43.36 h1.2 r270; Mechanical 1 "7" at 73.26,28.11 h1.2 r270
HD3: Mechanical 1 "1" at 83.64,4.68 h1.2; Mechanical 1 "7" at 98.89,4.68 h1.2
IC1: Mechanical 1 "1" at 103.78,105.6 h1 r270; Mechanical 1 "4" at 103.78,98.1 h1 r270; Mechanical 1 "5" at 108.68,98.1 h1 r270; Mechanical 1 "8" at 108.68,105.7 h1 r270
IC2: Mechanical 1 "I" at 158.496,107.823 h1.2 r90; Mechanical 1 "G" at 158.496,110.109 h1.2 r90; Mechanical 1 "O" at 158.496,112.649 h1.2 r90
LCD1: Mechanical 1 "1" at 5.92,27.43 h1.2 r90; Mechanical 1 "16" at 5.92,65.13 h1.2 r90
LS1: Mechanical 1 "2" at 35.86,10.76 h1.2 r180; Mechanical 1 "1" at 43.38,10.66 h1.2 r180
RL1: Mechanical 1 "3" at 178.15,64.42 h1.2; Mechanical 1 "2" at 178.15,76.52 h1.2; Mechanical 1 "4" at 165.95,64.52 h1.2; Mechanical 1 "5" at 166.05,76.62 h1.2; Mechanical 1 "1" at 164.15,70.52 h1.2
RL2: Mechanical 1 "3" at 178.15,3.46 h1.2; Mechanical 1 "2" at 178.15,15.56 h1.2; Mechanical 1 "4" at 165.95,3.56 h1.2; Mechanical 1 "5" at 166.05,15.66 h1.2; Mechanical 1 "1" at 164.15,9.56 h1.2
RL3: Mechanical 1 "3" at 178.15,23.78 h1.2; Mechanical 1 "2" at 178.15,35.88 h1.2; Mechanical 1 "4" at 165.95,23.88 h1.2; Mechanical 1 "5" at 166.05,35.98 h1.2; Mechanical 1 "1" at 164.15,29.88 h1.2
RL4: Mechanical 1 "3" at 178.15,44.1 h1.2; Mechanical 1 "2" at 178.15,56.2 h1.2; Mechanical 1 "4" at 165.95,44.2 h1.2; Mechanical 1 "5" at 166.05,56.3 h1.2; Mechanical 1 "1" at 164.15,50.2 h1.2
U1: Mechanical 1 "B" at 54.229,11.684 h0.8 r270; Mechanical 1 "C" at 54.229,14.224 h0.8 r270; Mechanical 1 "E" at 54.229,16.764 h0.8 r270
U2: Mechanical 1 "E" at 49.149,10.414 h0.8 r270; Mechanical 1 "C" at 49.149,7.874 h0.8 r270; Mechanical 1 "B" at 49.149,5.334 h0.8 r270
U3: Mechanical 1 "1" at 98.34,25.23 h1 r90; Mechanical 1 "20" at 98.44,72.83 h1 r90; Mechanical 1 "21" at 85.44,73.03 h1 r90; Mechanical 1 "40" at 85.44,24.43 h1 r90
U5: Mechanical 1 "E" at 156.591,65.786 h0.8 r90; Mechanical 1 "C" at 156.591,68.326 h0.8 r90; Mechanical 1 "B" at 156.591,70.866 h0.8 r90
U6: Mechanical 1 "E" at 156.591,4.826 h0.8 r90; Mechanical 1 "C" at 156.591,7.366 h0.8 r90; Mechanical 1 "B" at 156.591,9.906 h0.8 r90
U7: Mechanical 1 "E" at 156.591,25.146 h0.8 r90; Mechanical 1 "C" at 156.591,27.686 h0.8 r90; Mechanical 1 "B" at 156.591,30.226 h0.8 r90
U8: Mechanical 1 "E" at 156.591,45.466 h0.8 r90; Mechanical 1 "C" at 156.591,48.006 h0.8 r90; Mechanical 1 "B" at 156.591,50.546 h0.8 r90
VR1: Mechanical 1 "1" at 10.02,12.21 h1; Mechanical 1 "2" at 12.4,12.17 h1; Mechanical 1 "3" at 14.93,12.19 h1